# Altium PCB FMC_ADC_130M_16B_4CHv4.PcbDoc (part 1 of 8) (continued)
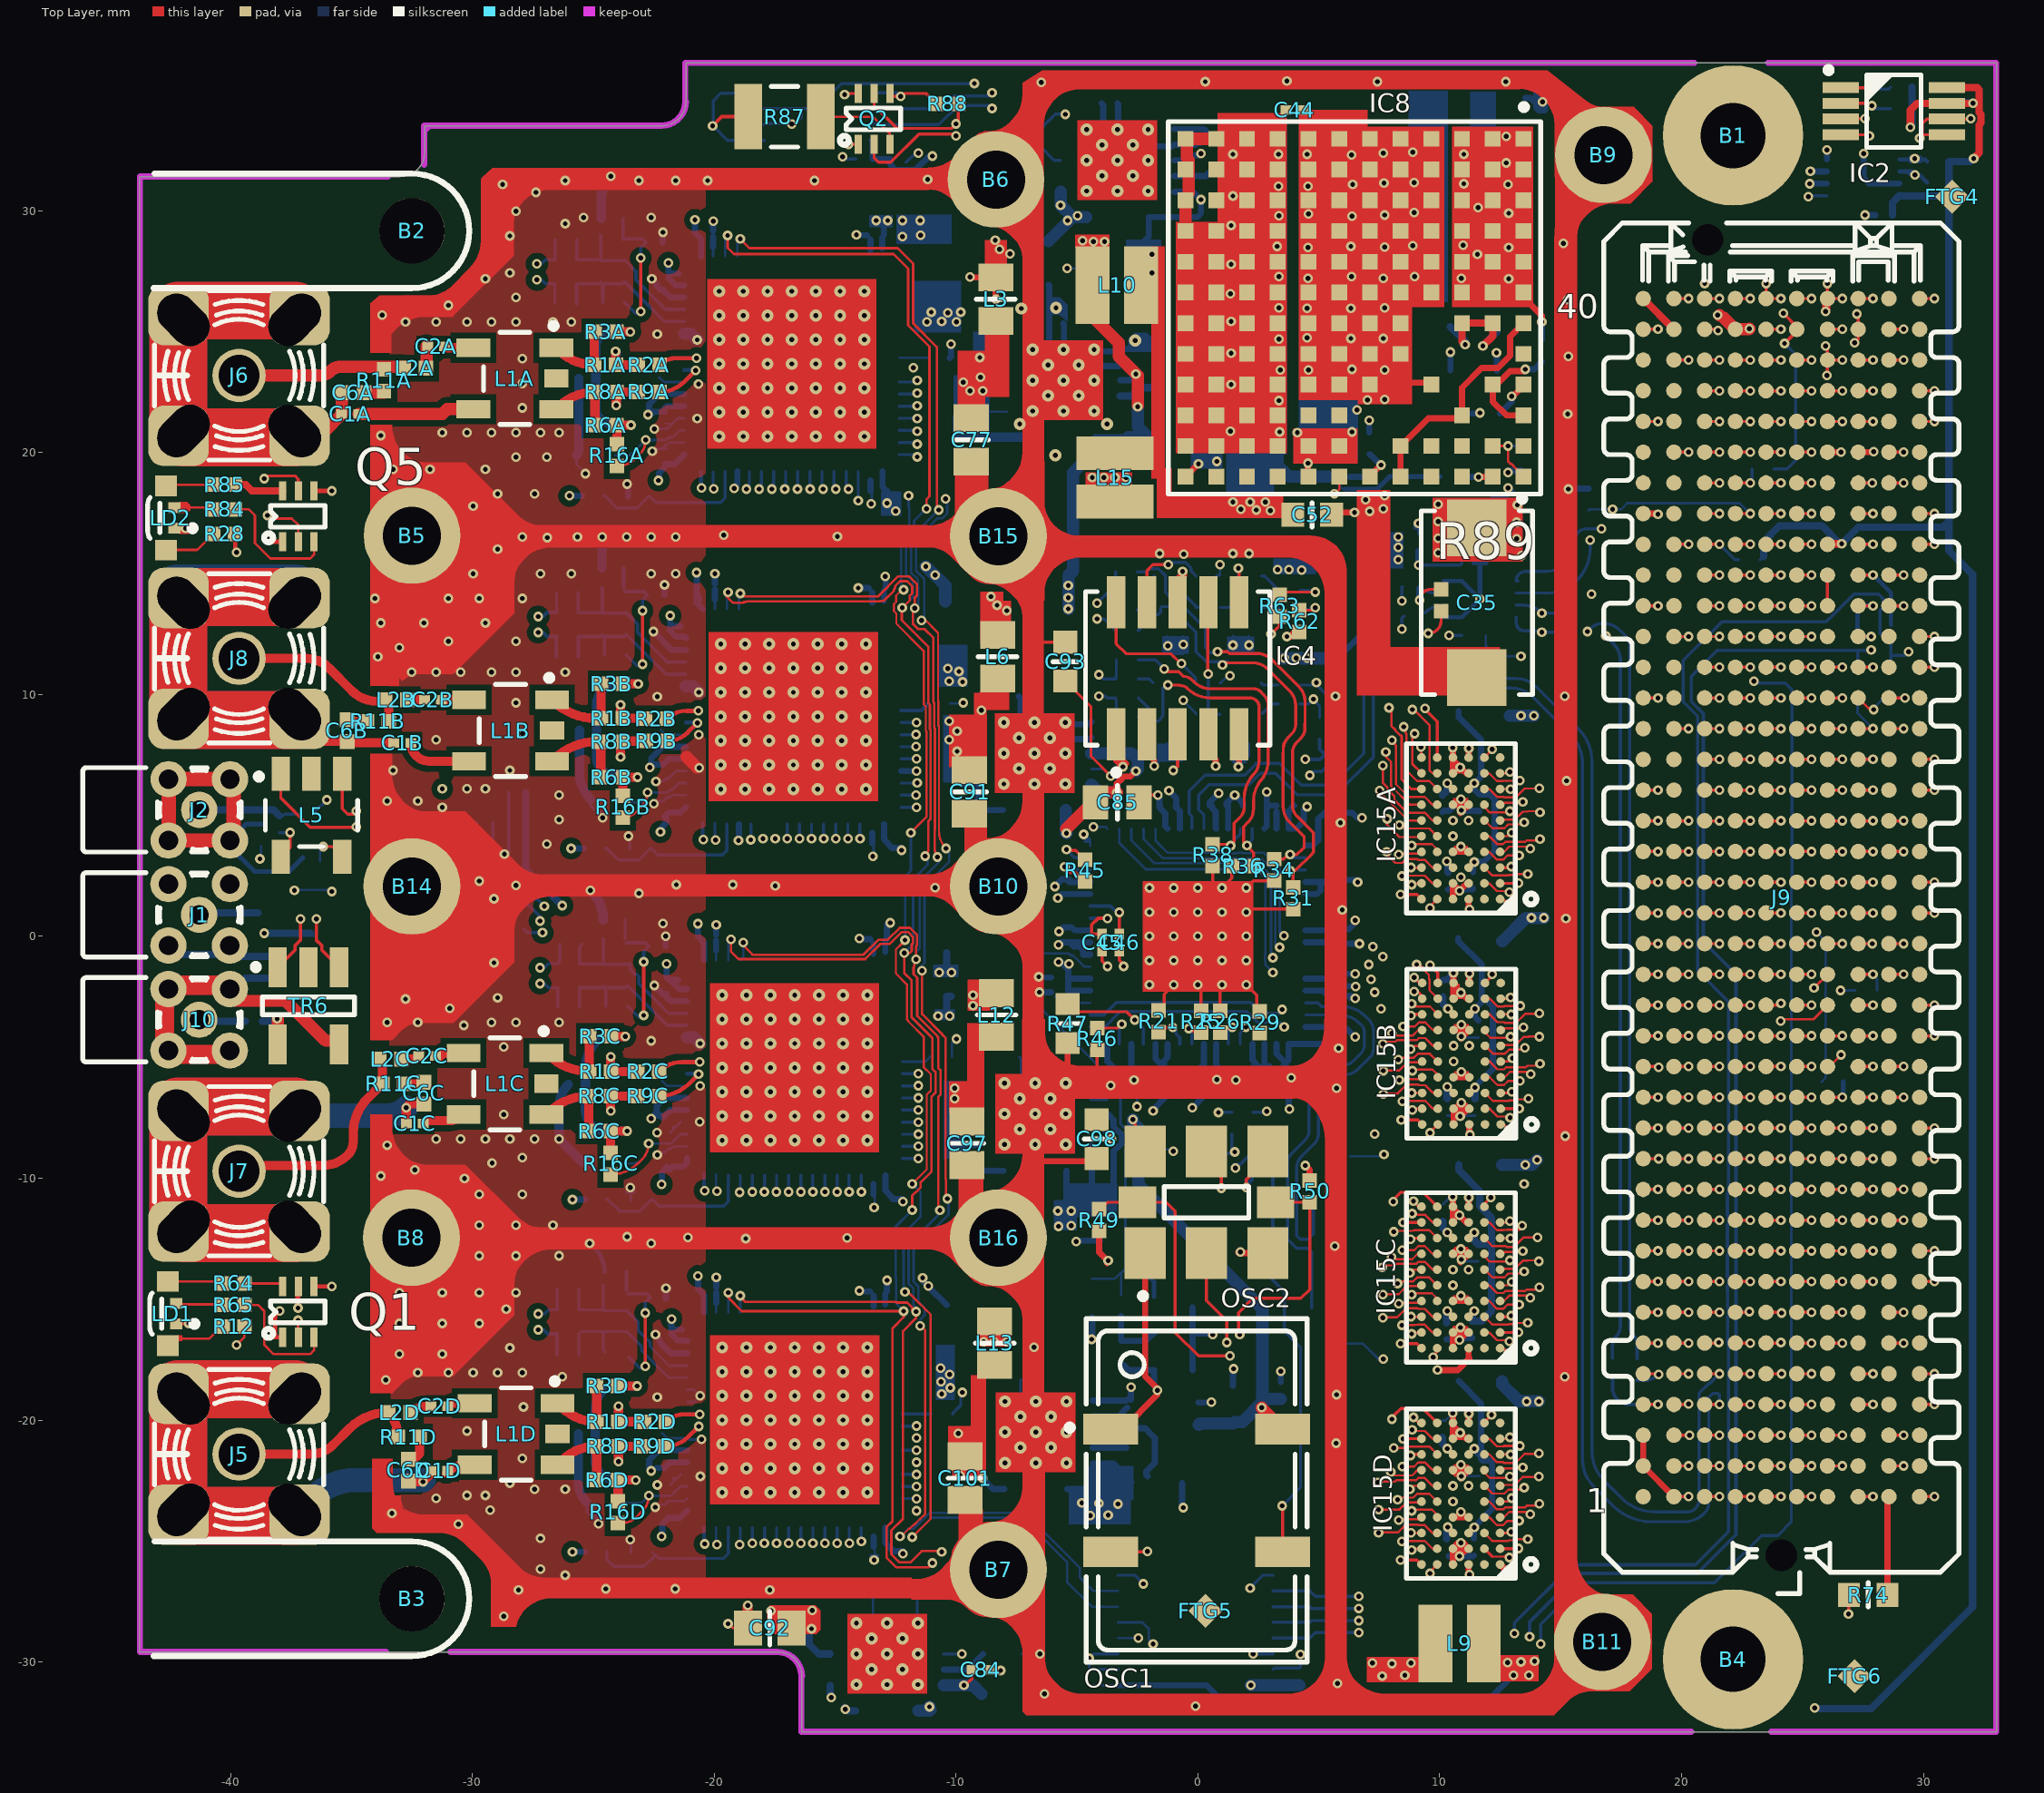
[diagram p0: Top Layer view]
## Classes and differential pairs
net class Power: GND P3V3_ADC1 P3V3_ADC2 P3V3_ADC3 P3V3_ADC4 P3V3_CLK
channel class ADC: U_ADC1 U_ADC2 U_ADC3 U_ADC4
component class U_ADC4: C1D C2D C5D C6D C9D C11D C12D C13D C14D C15D C16D C17D C18D C19D C20D C25D C26D IC1D L1D L2D L4D R1D R2D R3D R6D R8D R9D R10D R11D R13D R14D R15D R16D R17D R18D R76D R77D R86D
component class U_ADC3: C1C C2C C5C C6C C9C C11C C12C C13C C14C C15C C16C C17C C18C C19C C20C C25C C26C IC1C L1C L2C L4C R1C R2C R3C R6C R8C R9C R10C R11C R13C R14C R15C R16C R17C R18C R76C R77C R86C
component class U_ADC2: C1B C2B C5B C6B C9B C11B C12B C13B C14B C15B C16B C17B C18B C19B C20B C25B C26B IC1B L1B L2B L4B R1B R2B R3B R6B R8B R9B R10B R11B R13B R14B R15B R16B R17B R18B R76B R77B R86B
component class U_ADC1: C1A C2A C5A C6A C9A C11A C12A C13A C14A C15A C16A C17A C18A C19A C20A C25A C26A IC1A L1A L2A L4A R1A R2A R3A R6A R8A R9A R10A R11A R13A R14A R15A R16A R17A R18A R76A R77A R86A
component class "Trigger and leds": C103 C104 D1 IC17 LD2 Q5 R28 R75 R84 R85 R87 R88
component class PS: C27 C28 C29 C30 C32 C33 C34 C35 C36 C38 C44 C51 C52 C73 C75 C76 C77 C78 C79 C80 C81 C82 C84 C85 C86 C88 C91 C92 C93 C94 C95 C96 C97 C98 C99 C100 C101 C102 IC6 IC7 IC8 IC9 IC10 IC11 IC12 L3 L6 L7 L9 L10 L12 L13 L15 R78 R79 R80 R81 R82 R83
component class FMC_130MSPS_4CH: B5 B6 B7 B8 B9 B10 B11 B14 B15 B16 C37 C39 IC14 J1 J5 J6 J7 J8
component class EEPROM: C31 C41 C74 FTG1 FTG2 FTG3 FTG4 FTG5 FTG6 IC2 IC5 IC13 LD1 Q1 Q2 R4 R5 R12 R32 R35 R37 R39 R42 R43 R44 R64 R65
component class ClK: C8 C10 C40 C42 C43 C45 C46 C47 C48 C49 C50 C53 C54 C55 C56 C57 C58 C59 C60 C61 C62 C63 C64 C65 C66 C67 C68 C69 C70 C71 C72 C105 C106 C107 C108 C109 C110 IC3 IC4 IC16 J2 J3 J4 J10 L5 L8 OSC1 OSC2 R7 R19 R20 R21 R22 R24 R25 R26 R29 R30 R31 R33 R34 R36 R38 R40 R41 R45 R46 R47 R48 R49 R50 R51 R52 R53 R54 R55 R56 R57 R58 R59 R60 R61 R62 R63 R66 R67 R68 R69 R70 R71 R72 R73 R89 TR2 TR3 TR4 TR5 TR6
component class J1: B1 B2 B3 B4 J9 R23 R27 R74
pad class SMA: J6-2 J7-2
pad class Direc: B1-1 B2-1 B3-1 B4-1 J3-37 J3-38
net class ADC_data: CH1.CLKOUTA CH1.DA0 CH1.DA1 CH1.DA2 CH1.DA3 CH1.DA4 CH1.DA5 CH1.DA6 CH1.DA7 CH1.DA8 CH1.DA9 CH1.DA10 CH1.DA11 CH1.DA12 CH1.DA13 CH1.DA14 CH1.DA15 CH1.OF_A CH2.CLKOUTA CH2.DA0 CH2.DA1 CH2.DA2 CH2.DA3 CH2.DA4 CH2.DA5 CH2.DA6 CH2.DA7 CH2.DA8 CH2.DA9 CH2.DA10 CH2.DA11 CH2.DA12 CH2.DA13 CH2.DA14 CH2.DA15 CH2.OF_A CH3.CLKOUTA CH3.DA0 CH3.DA1 CH3.DA2 CH3.DA3 CH3.DA4 CH3.DA5 CH3.DA6 CH3.DA7 CH3.DA8 CH3.DA9 CH3.DA10 CH3.DA11 CH3.DA12 CH3.DA13 CH3.DA14 CH3.DA15 CH3.OF_A CH4.CLKOUTA CH4.DA0 CH4.DA1 CH4.DA2 CH4.DA3 CH4.DA4 CH4.DA5 CH4.DA6 CH4.DA7 CH4.DA8 CH4.DA9 CH4.DA10 CH4.DA11 CH4.DA12 CH4.DA13 CH4.DA14 CH4.DA15 CH4.OF_A
component class U_BUFFER1: C21A C22A C23A C24A IC15A L14A
component class U_BUFFER2: C21B C22B C23B C24B IC15B L14B
component class U_BUFFER3: C21C C22C C23C C24C IC15C L14C
component class U_BUFFER4: C21D C22D C23D C24D IC15D L14D
net class CH1: CH1.CLKOUTA CH1.DA0 CH1.DA1 CH1.DA2 CH1.DA3 CH1.DA4 CH1.DA5 CH1.DA6 CH1.DA7 CH1.DA8 CH1.DA9 CH1.DA10 CH1.DA11 CH1.DA12 CH1.DA13 CH1.DA14 CH1.DA15 CH1.OF_A
net class CH2: CH2.CLKOUTA CH2.DA0 CH2.DA1 CH2.DA2 CH2.DA3 CH2.DA4 CH2.DA5 CH2.DA6 CH2.DA7 CH2.DA8 CH2.DA9 CH2.DA10 CH2.DA11 CH2.DA12 CH2.DA13 CH2.DA14 CH2.DA15 CH2.OF_A
net class CH3: CH3.CLKOUTA CH3.DA0 CH3.DA1 CH3.DA2 CH3.DA3 CH3.DA4 CH3.DA5 CH3.DA6 CH3.DA7 CH3.DA8 CH3.DA9 CH3.DA10 CH3.DA11 CH3.DA12 CH3.DA13 CH3.DA14 CH3.DA15 CH3.OF_A
net class CH4: CH4.CLKOUTA CH4.DA0 CH4.DA1 CH4.DA2 CH4.DA3 CH4.DA4 CH4.DA5 CH4.DA6 CH4.DA7 CH4.DA8 CH4.DA9 CH4.DA10 CH4.DA11 CH4.DA12 CH4.DA13 CH4.DA14 CH4.DA15 CH4.OF_A
channel class BUFFER: U_BUFFER1 U_BUFFER2 U_BUFFER3 U_BUFFER4
net class Buff_data: B_CLKOUTAA B_CLKOUTAB B_CLKOUTAC B_CLKOUTAD B_DA0A B_DA0B B_DA0C B_DA0D B_DA1A B_DA1B B_DA1C B_DA1D B_DA2A B_DA2B B_DA2C B_DA2D B_DA3A B_DA3B B_DA3C B_DA3D B_DA4A B_DA4B B_DA4C B_DA4D B_DA5A B_DA5B B_DA5C B_DA5D B_DA6A B_DA6B B_DA6C B_DA6D B_DA7A B_DA7B B_DA7C B_DA7D B_DA8A B_DA8B B_DA8C B_DA8D B_DA9A B_DA9B B_DA9C B_DA9D B_DA10A B_DA10B B_DA10C B_DA10D B_DA11A B_DA11B B_DA11C B_DA11D B_DA12A B_DA12B B_DA12C B_DA12D B_DA13A B_DA13B B_DA13C B_DA13D B_DA14A B_DA14B B_DA14C B_DA14D B_DA15A B_DA15B B_DA15C B_DA15D B_OFL_AA B_OFL_AB B_OFL_AC B_OFL_AD
differential pair REFIN: +REFIN_P -REFIN_N
differential pair REFIN_C: +REFIN_C_P -REFIN_C_N
differential pair PASSIVE4_CLK: +PASSIVE4_CLK_P -PASSIVE4_CLK_N
differential pair PASSIVE3_CLK: +PASSIVE3_CLK_P -PASSIVE3_CLK_N
differential pair PASSIVE2_CLK: +PASSIVE2_CLK_P -PASSIVE2_CLK_N
differential pair PASSIVE1_CLK: +PASSIVE1_CLK_P -PASSIVE1_CLK_N
differential pair ACTIVE4_CLK: +ACTIVE3_CLK_P -ACTIVE3_CLK_N
differential pair ACTIVE3_CLK: +ACTIVE4_CLK_P -ACTIVE4_CLK_N
differential pair ACTIVE2_CLK: +ACTIVE2_CLK_P -ACTIVE2_CLK_N
differential pair ACTIVE1_CLK: +ACTIVE1_CLK_P -ACTIVE1_CLK_N
differential pair LA32: +LA32_P -LA32_N
differential pair RF_AUX: +RF_AUX_P -RF_AUX_N
differential pair EXT_CLK1: +EXT_CLK1_P -EXT_CLK1_N
differential pair CLK0_M2C: +CLK0_M2C_P -CLK0_M2C_N
differential pair REF: +REF_P -REF_N
differential pair ADC1_CLKA: +ADC1_CLKA_P -ADC1_CLKA_N
differential pair ADC1_CLKB: +ADC1_CLKB_P -ADC1_CLKB_N
differential pair ADC1_CLKC: +ADC1_CLKC_P -ADC1_CLKC_N
differential pair ADC1_CLKD: +ADC1_CLKD_P -ADC1_CLKD_N
differential pair FMC_REFCLK: +FMC_REFCLK_P -FMC_REFCLK_N
differential pair VCXO_OUT: +VCXO_OUT_P -VCXO_OUT_N
differential pair ADC1_CLK: +ADC2_CLK_P -ADC2_CLK_N
differential pair ADC2_CLK: +ADC1_CLK_P -ADC1_CLK_N
differential pair ADC3_CLK: +ADC4_CLK_P -ADC4_CLK_N
differential pair ADC4_CLK: +ADC3_CLK_P -ADC3_CLK_N
differential pair CLK2_BIDIR: +CLK2_BIDIR_P -CLK2_BIDIR_N

## Components (designator, comment, footprint, x,y, rotation, side; value= is the part's Value field where it differs from the comment)
B1 "Plated Hole" MTG300_600#1 22.128,33.11 r0 top
B2 "Plated Hole" MTG300_600#2 -32.497,29.164 r0 top
B3 "Plated Hole" MTG300_600#2 -32.497,-27.386 r0 top
B4 "Plated Hole" MTG300_600#1 22.128,-29.89 r0 top
B5 "Plated Hole" MTG240_400#1 -32.494,16.564 r0 top
B6 "Plated Hole" MTG240_400#1 -8.347,31.289 r0 top locked
B7 "Plated Hole" MTG240_400#1 -8.247,-26.186 r0 top
B8 "Plated Hole" MTG240_400#2 -32.522,-12.361 r0 top
B9 "Plated Hole" MTG240_400#2 16.77,32.402 r0 top
B10 "Plated Hole" MTG240_400#2 -8.247,2.164 r0 top
B11 "Plated Hole" MTG240_400#1 16.719,-29.168 r0 top
B14 "Plated Hole" MTG240_400#2 -32.501,2.164 r0 top locked
B15 "Plated Hole" MTG240_400#1 -8.247,16.547 r0 top
B16 "Plated Hole" MTG240_400#1 -8.247,-12.46 r0 top
C1A "100nF" CAPC0603X33N -35.052,21.59 r180 top (schematic designator C1)
C1B "100nF" CAPC0603X33N -32.893,8.001 r180 top (schematic designator C1)
C1C "100nF" CAPC0603X33N -32.385,-7.747 r180 top (schematic designator C1)
C1D "100nF" CAPC0603X33N -31.369,-22.098 r180 top (schematic designator C1)
C2A "100nF" CAPC0603X33N -31.496,24.384 r0 top (schematic designator C2)
C2B "100nF" CAPC0603X33N -31.623,9.779 r0 top (schematic designator C2)
C2C "100nF" CAPC0603X33N -31.877,-4.953 r0 top (schematic designator C2)
C2D "100nF" CAPC0603X33N -31.369,-19.431 r0 top (schematic designator C2)
C5A "1.5pF" CAPC1005X55N -24.054,23.089 r90 bottom (schematic designator C5)
C5B "1.5pF" CAPC1005X55N -23.876,8.534 r90 bottom (schematic designator C5)
C5C "1.5pF" CAPC1005X55N -24.282,-6.096 r90 bottom (schematic designator C5)
C5D "1.5pF" CAPC1005X55N -23.952,-20.574 r90 bottom (schematic designator C5)
C6A "2.2pF" CAPC1005X55N -34.925,22.479 r0 top (schematic designator C6)
C6B "2.2pF" CAPC1005X55N -35.179,8.509 r90 top (schematic designator C6)
C6C "2.2pF" CAPC1005X55N -32.004,-6.477 r90 top (schematic designator C6)
C6D "2.2pF" CAPC1005X55N -32.65,-22.075 r90 top (schematic designator C6)
C9A "100pF" CAPC1005X55N -26.143,26.153 r0 bottom (schematic designator C9)
C9B "100pF" CAPC1005X55N -26.062,11.567 r0 bottom (schematic designator C9)
C9C "100pF" CAPC1005X55N -26.023,-2.918 r0 bottom (schematic designator C9)
C9D "100pF" CAPC1005X55N -26.048,-17.304 r0 bottom (schematic designator C9)
C10 "100nF" CAPC0603X33N 3.429,-18.771 r90 bottom
C11A "100pF" CAPC1005X55N -26.136,28.797 r0 bottom (schematic designator C11)
C11B "100pF" CAPC1005X55N -26.068,14.203 r0 bottom (schematic designator C11)
C11C "100pF" CAPC1005X55N -25.932,-0.332 r0 bottom (schematic designator C11)
C11D "100pF" CAPC1005X55N -26.048,-14.576 r0 bottom (schematic designator C11)
C12A "2.2uF" CAPC1608X87N -24.892,19.888 r0 bottom (schematic designator C12)
C12B "2.2uF" CAPC1608X87N -24.308,5.664 r0 bottom (schematic designator C12)
C12C "2.2uF" CAPC1608X87N -24.384,-9.398 r0 bottom (schematic designator C12)
C12D "2.2uF" CAPC1608X87N -24.46,-23.419 r0 bottom (schematic designator C12)
C13A "1.5pF" CAPC1005X55N -24.694,27.483 r270 bottom (schematic designator C13)
C13B "1.5pF" CAPC1005X55N -24.625,12.903 r270 bottom (schematic designator C13)
C13C "1.5pF" CAPC1005X55N -24.572,-1.615 r270 bottom (schematic designator C13)
C13D "1.5pF" CAPC1005X55N -24.528,-15.912 r270 bottom (schematic designator C13)
C14A "100nF" CAPC0603X33N -21.971,19.812 r270 bottom (schematic designator C14)
C14B "100nF" CAPC0603X33N -21.971,5.207 r270 bottom (schematic designator C14)
C14C "100nF" CAPC0603X33N -21.844,-9.296 r270 bottom (schematic designator C14)
C14D "100nF" CAPC0603X33N -21.869,-23.851 r270 bottom (schematic designator C14)
C15A "100nF" CAPC0603X33N -20.396,29.007 r180 bottom (schematic designator C15)
C15B "100nF" CAPC0603X33N -20.447,14.351 r180 bottom (schematic designator C15)
C15C "100nF" CAPC0603X33N -20.269,0.025 r180 bottom (schematic designator C15)
C15D "100nF" CAPC0603X33N -20.269,-14.605 r180 bottom (schematic designator C15)
C16A "100nF" CAPC0603X33N -21.944,26.848 r90 bottom (schematic designator C16)
C16B "100nF" CAPC0603X33N -21.844,12.319 r90 bottom (schematic designator C16)
C16C "100nF" CAPC0603X33N -21.971,-2.032 r90 bottom (schematic designator C16)
C16D "100nF" CAPC0603X33N -21.768,-16.789 r90 bottom (schematic designator C16)
C17A "100nF" CAPC0603X33N -22.273,22.763 r270 bottom (schematic designator C17)
C17B "100nF" CAPC0603X33N -22.204,8.183 r270 bottom (schematic designator C17)
C17C "100nF" CAPC0603X33N -22.151,-6.335 r270 bottom (schematic designator C17)
C17D "100nF" CAPC0603X33N -22.148,-20.9 r270 bottom (schematic designator C17)
C18A "100nF" CAPC0603X33N -22.047,21.336 r90 bottom (schematic designator C18)
C18B "100nF" CAPC0603X33N -21.92,6.833 r90 bottom (schematic designator C18)
C18C "100nF" CAPC0603X33N -21.895,-7.722 r90 bottom (schematic designator C18)
C18D "100nF" CAPC0603X33N -21.869,-22.25 r90 bottom (schematic designator C18)
C19A "100nF" CAPC0603X33N -13.208,18.39 r0 bottom (schematic designator C19)
C19B "100nF" CAPC0603X33N -13.056,3.785 r0 bottom (schematic designator C19)
C19C "100nF" CAPC0603X33N -13.056,-10.719 r0 bottom (schematic designator C19)
C19D "100nF" CAPC0603X33N -13.005,-25.375 r0 bottom (schematic designator C19)
C20A "100nF" CAPC0603X33N -13.259,28.931 r0 bottom (schematic designator C20)
C20B "100nF" CAPC0603X33N -13.233,14.376 r0 bottom (schematic designator C20)
C20C "100nF" CAPC0603X33N -13.108,0.098 r0 bottom (schematic designator C20)
C20D "100nF" CAPC0603X33N -13.208,-14.681 r0 bottom (schematic designator C20)
C21A "100nF" CAPC0603X33N 10.338,2.286 r90 bottom (schematic designator C21)
C21B "100nF" CAPC0603X33N 10.312,-7.061 r90 bottom (schematic designator C21)
C21C "100nF" CAPC0603X33N 10.287,-16.332 r90 bottom (schematic designator C21)
C21D "100nF" CAPC0603X33N 10.287,-25.324 r90 bottom (schematic designator C21)
C22A "100nF" CAPC0603X33N 10.033,5.512 r90 bottom (schematic designator C22)
C22B "100nF" CAPC0603X33N 10.135,-2.159 r270 bottom (schematic designator C22)
C22C "100nF" CAPC0603X33N 10.135,-11.43 r270 bottom (schematic designator C22)
C22D "100nF" CAPC0603X33N 10.109,-20.371 r270 bottom (schematic designator C22)
C23A "100nF" CAPC0603X33N 11.379,2.261 r90 bottom (schematic designator C23)
C23B "100nF" CAPC0603X33N 11.455,-7.061 r90 bottom (schematic designator C23)
C23C "100nF" CAPC0603X33N 11.354,-16.332 r90 bottom (schematic designator C23)
C23D "100nF" CAPC0603X33N 11.405,-25.248 r90 bottom (schematic designator C23)
C24A "100nF" CAPC0603X33N 11.633,5.512 r90 bottom (schematic designator C24)
C24B "100nF" CAPC0603X33N 11.684,-3.81 r90 bottom (schematic designator C24)
C24C "100nF" CAPC0603X33N 11.633,-13.03 r90 bottom (schematic designator C24)
C24D "100nF" CAPC0603X33N 11.633,-21.971 r90 bottom (schematic designator C24)
C25A "100nF" CAPC0603X33N -22.476,28.688 r180 bottom (schematic designator C25)
C25B "100nF" CAPC0603X33N -22.407,14.108 r180 bottom (schematic designator C25)
C25C "100nF" CAPC0603X33N -22.354,-0.41 r180 bottom (schematic designator C25)
C25D "100nF" CAPC0603X33N -22.351,-14.975 r180 bottom (schematic designator C25)
C26A "100nF" CAPC0603X33N -25.248,23.063 r180 bottom (schematic designator C26)
C26B "100nF" CAPC0603X33N -25.222,8.534 r180 bottom (schematic designator C26)
C26C "100nF" CAPC0603X33N -25.679,-6.121 r180 bottom (schematic designator C26)
C26D "100nF" CAPC0603X33N -25.273,-20.574 r180 bottom (schematic designator C26)
C27 "22uF" CAPC3216X140N 3.988,25.324 r0 bottom
C28 "10uF" CAPC2012X135N 10.922,34.874 r180 bottom
C29 "10uF" CAPC2012X135N 12.37,24.282 r90 bottom
C30 "330nF" CAPC1608X87N 13.538,33.858 r270 bottom
C31 "100nF" CAPC0603X33N 28.372,29.82 r180 bottom
C32 "22uF" CAPC3216X140N 3.988,27.61 r0 bottom
C33 "22uF" CAPC3216X140N 3.988,23.012 r0 bottom
C34 "22uF" CAPC3216X140N 3.988,20.726 r0 bottom
C35 "100uF" CAPMP7343X310N 11.532,13.792 r270 top
C36 "10uF" CAPC2012X135N 10.922,29.159 r180 bottom
C37 "100nF" CAPC0603X33N -4.496,-30.632 r270 bottom
C38 "10uF" CAPC2012X135N 10.922,32.969 r0 bottom
C39 "100nF" CAPC0603X33N 4.191,-30.607 r270 bottom
C40 "100nF" CAPC0603X33N -36.83,5.034 r180 bottom
C41 "100nF" CAPC0603X33N -28.143,5.944 r180 bottom
C42 "100nF" CAPC0603X33N -37.973,4.628 r90 bottom
C43 "100nF" CAPC0603X33N -36.652,3.251 r180 bottom
C44 "100nF" CAPC0603X33N 3.988,34.163 r180 top
C45 "100nF" CAPC0603X33N -3.958,-0.254 r270 top
C46 "100nF" CAPC0603X33N -3.246,-0.254 r270 top
C47 "100nF" CAPC0603X33N 8.814,14.453 r0 bottom
C48 "100nF" CAPC0603X33N -39.04,-3.505 r180 bottom
C49 "100nF" CAPC0603X33N 8.89,13.233 r0 bottom
C50 "100nF" CAPC0603X33N 9.119,16.281 r90 bottom
C51 "10uF" CAPC2012X135N 10.922,27.229 r0 bottom
C52 "1uF" CAPC1608X87N 4.724,17.424 r0 top
C53 "4.7uF" CAPC1608X87N 1.448,-19.38 r270 bottom
C54 "100nF" CAPC0603X33N -1.93,-8.814 r0 bottom
C55 "27nF" CAPC1608X87N -4.369,-14.961 r90 bottom
C56 "27nF" CAPC1608X87N -1.016,-16.416 r180 bottom
C57 "10nF" CAPC1608X87N -1.016,-17.94 r180 bottom
C58 "470nF" CAPC1608X87N -1.016,-14.91 r180 bottom
C59 "100nF" CAPC0603X33N -5.715,-2.311 r0 bottom
C60 "100nF" CAPC0603X33N -5.334,2.007 r90 bottom
C61 "100nF" CAPC0603X33N 5.715,-2.464 r180 bottom
C62 "100nF" CAPC0603X33N 5.893,-0.305 r180 bottom
C63 "100nF" CAPC0603X33N 5.563,0.635 r270 bottom
C64 "100nF" CAPC0603X33N 2.21,5.41 r0 bottom
C65 "100nF" CAPC0603X33N 3.632,5.41 r180 bottom
C66 "100nF" CAPC0603X33N 5.715,-1.549 r180 bottom
C67 "100nF" CAPC0603X33N -1.245,5.359 r0 bottom
C68 "100nF" CAPC0603X33N -5.715,-1.702 r0 bottom
C69 "100nF" CAPC0603X33N -5.232,0.025 r90 bottom
C70 "100nF" CAPC0603X33N 0.838,5.41 r180 bottom
C71 "100nF" CAPC0603X33N 4.75,4.851 r0 bottom
C72 "100nF" CAPC0603X33N 5.537,1.981 r90 bottom
C73 "330nF" CAPC1608X87N 11.684,21.615 r180 bottom
C74 "100nF" CAPC0603X33N 31.471,34.112 r270 bottom
C75 "10uF" CAPC2012X135N -1.067,20.472 r180 bottom
C76 "10uF" CAPC2012X135N -3.734,27.61 r0 bottom
C77 "47uF" CAPC2012X140N -9.373,20.523 r90 top
C78 "47uF" CAPC2012X140N -6.426,27.838 r90 bottom
C79 "1uF" CAPC1608X87N -1.676,23.698 r270 bottom
C80 "1uF" CAPC1608X87N 0.457,32.36 r270 bottom
C81 "22uF" CAPC3216X140N 3.962,32.207 r0 bottom
C82 "22uF" CAPC3216X140N 3.988,29.921 r0 bottom
C84 "100nF" CAPC0603X33N -8.986,-30.328 r180 top
C85 "10uF" CAPC2012X135N -3.327,5.537 r180 top
C86 "10uF" CAPC2012X135N -8.052,-31.318 r180 bottom
C88 "10uF" CAPC2012X135N 10.922,31.115 r0 bottom
C91 "47uF" CAPC2012X140N -9.449,5.969 r90 top
C92 "47uF" CAPC2012X140N -17.704,-28.6 r0 top
C93 "1uF" CAPC1608X87N -5.486,11.354 r270 top
C94 "1uF" CAPC1608X87N -8.077,-29.667 r180 bottom
C95 "10uF" CAPC2012X135N -4.039,-11.684 r90 bottom
C96 "100pF" CAPC1005X55N 5.842,18.999 r180 bottom
C97 "47uF" CAPC2012X140N -9.55,-8.56 r90 top
C98 "1uF" CAPC1608X87N -4.191,-8.382 r90 top
C99 "10uF" CAPC2012X135N 10.439,24.308 r90 bottom
C100 "10uF" CAPC2012X135N -1.549,-22.606 r180 bottom
C101 "47uF" CAPC2012X140N -9.627,-22.403 r90 top
C102 "1uF" CAPC1608X87N -2.769,-20.244 r270 bottom
C103 "100nF" CAPC0603X33N -13.79,32.134 r180 bottom
C104 "10nF" CAPC0603X33N -12.363,32.124 r0 bottom
C105 "100nF" CAPC0603X33N 0.483,-5.41 r180 bottom
C106 "100nF" CAPC0603X33N 5.359,-4.191 r90 bottom
C107 "100nF" CAPC0603X33N -3.099,-5.461 r180 bottom
C108 "100nF" CAPC0603X33N -1.75,-5.469 r0 bottom
C109 "100nF" CAPC0603X33N 3.302,-5.359 r180 bottom
C110 "100nF" CAPC0603X33N 1.93,-5.41 r0 bottom
D1 "BAR66" SOT95P240X110-3N -37.719,0.965 r180 bottom
FTG1 "Use only in PCB" FIDUCIAL_TOP_S100-200 -40.787,28.342 r90 bottom
FTG2 "Use only in PCB" FIDUCIAL_TOP_S100-200 31.039,-30.836 r90 bottom
FTG3 "Use only in PCB" FIDUCIAL_TOP_S100-200 19.05,29.947 r90 bottom
FTG4 "Use only in PCB" FIDUCIAL_TOP_S100-200 31.191,30.582 r90 top
FTG5 "Use only in PCB" FIDUCIAL_TOP_S100-200 0.307,-27.88 r90 top
FTG6 "Use only in PCB" FIDUCIAL_TOP_S100-200 27.158,-30.586 r90 top
IC1A "LTC2208IUP#PBF" QFN50P900X900X80-65N-S725 -16.794,23.666 r180 bottom (schematic designator IC1)
IC1B "LTC2208IUP#PBF" QFN50P900X900X80-65N-S725 -16.725,9.086 r180 bottom (schematic designator IC1)
IC1C "LTC2208IUP#PBF" QFN50P900X900X80-65N-S725 -16.673,-5.432 r180 bottom locked (schematic designator IC1)
IC1D "LTC2208IUP#PBF" QFN50P900X900X80-65N-S725 -16.67,-19.997 r180 bottom (schematic designator IC1)
IC2 "LM75AIMM/NOPB" SOP65P490X109-8N 28.778,34.112 r0 top
IC3 "AD9510BCPZ" QFN50P900X900X100-65N-S485 0,0 r180 bottom locked
IC4 "SCA-4-10+" MINI-CIRCUITS_DZ943 -0.838,11.074 r90 top locked
IC5 "24AA64T-I/MC" SON50P300X200X100-9N-S175X155 27.508,31.369 r0 bottom
IC6 "TPS7A4700RGWT" QFN65P500X500X100-21N-S325 -5.563,22.987 r180 bottom
IC7 "TPS7A4700RGWT" QFN65P500X500X100-21N-S325 -3.327,32.08 r180 bottom
IC8 "LTM4606EV#PBF-ND" LTM4606 14.224,33.731 r180 top locked
IC9 "TPS7A4700RGWT" QFN65P500X500X100-21N-S325 -6.756,7.569 r180 bottom
IC10 "TPS7A4700RGWT" QFN65P500X500X100-21N-S325 -12.852,-29.667 r180 bottom
IC11 "TPS7A4700RGWT" QFN65P500X500X100-21N-S325 -6.731,-7.341 r180 bottom
IC12 "TPS7A4700RGWT" QFN65P500X500X100-21N-S325 -6.706,-20.498 r180 bottom
IC13 "LM75AIMM/NOPB" SOP65P490X109-8N -28.829,2.489 r90 bottom
IC14 "SN74AVC4T245PW" TSSOP-16 -3.302,-30.963 r0 bottom
IC15A "SN74AVC20T245ZQLR" ZQL56(R-PBGA-N56) 10.871,4.465 r180 top locked (schematic designator IC15)
IC15B "SN74AVC20T245ZQLR" ZQL56(R-PBGA-N56) 10.897,-4.853 r180 top (schematic designator IC15)
IC15C "SN74AVC20T245ZQLR" ZQL56(R-PBGA-N56) 10.871,-14.103 r180 top locked (schematic designator IC15)
IC15D "SN74AVC20T245ZQLR" ZQL56(R-PBGA-N56) 10.871,-23.043 r180 top locked (schematic designator IC15)
IC16 "ICS854S015CKI-01LF" QFN127P600-8N 11.659,13.945 r180 bottom
IC17 "SN65LVDM176DGK" "MSOP8 TI/AD" -15.711,33.886 r90 bottom
J1 "Coax_1Female_1Shield" "HUBER-SUHNER_85_MMCX-50-0-1/111 OH" -41.297,0.889 r180 top
J2 "Coax_1Female_1Shield" "HUBER-SUHNER_85_MMCX-50-0-1/111 OH" -41.294,5.228 r180 top
J3 "U.FL" HIROSE_U.FL-R-SMT-1(10) 6.223,-15.367 r90 bottom
J4 "U.FL" HIROSE_U.FL-R-SMT-1(10) 6.299,-10.566 r90 bottom
J5 "AMPHENOL_901-143_IN BOARD" "AMPHENOL_901-143_IN BOARD" -39.647,-21.411 r0 top
J6 "AMPHENOL_901-143_IN BOARD" "AMPHENOL_901-143_IN BOARD" -39.647,23.189 r0 top
J7 "AMPHENOL_901-143_IN BOARD" "AMPHENOL_901-143_IN BOARD" -39.647,-9.711 r0 top
J8 "AMPHENOL_901-143_IN BOARD" "AMPHENOL_901-143_IN BOARD" -39.647,11.489 r0 top
J9 "VITA 57" SAMTEC_ASP-134488-01 24.128,1.6 r270 top locked
J10 "Coax_1Female_1Shield" "HUBER-SUHNER_85_MMCX-50-0-1/111 OH" -41.297,-3.45 r180 top
L1A "MABA-007159" "XFMR_MA-COM_SM-22 (H260)"#1 -28.245,23.063 r270 top (schematic designator L1)
L1B "MABA-007159" "XFMR_MA-COM_SM-22 (H260)"#1 -28.423,8.509 r270 top (schematic designator L1)
L1C "MABA-007159" "XFMR_MA-COM_SM-22 (H260)"#1 -28.651,-6.096 r270 top (schematic designator L1)
L1D "MABA-007159" "XFMR_MA-COM_SM-22 (H260)"#1 -28.194,-20.574 r270 top (schematic designator L1)
L2A "0R" INDC1005X55N -32.385,23.495 r0 top (schematic designator L2)
L2B "0R" INDC1005X55N -33.147,9.779 r0 top (schematic designator L2)
L2C "0R" INDC1005X55N -33.401,-5.08 r0 top (schematic designator L2)
L2D "0R" INDC1005X55N -33.02,-19.685 r0 top (schematic designator L2)
L3 "220R@100MHz" INDC2012X105N -8.357,26.34 r90 top
L4A "220R@100MHz" INDC2012X105N -10.512,27.52 r90 bottom (schematic designator L4)
L4B "220R@100MHz" INDC2012X105N -10.443,12.94 r90 bottom (schematic designator L4)
L4C "220R@100MHz" INDC2012X105N -10.391,-1.578 r90 bottom (schematic designator L4)
L4D "220R@100MHz" INDC2012X105N -10.388,-16.143 r90 bottom (schematic designator L4)
L5 "MABA-007159-000000" "XFMR_MA-COM_SM-22 (H260)"#2 -36.652,5.004 r0 top
L6 "220R@100MHz" INDC2012X105N -8.28,11.557 r90 top
L7 "220R@100MHz" INDC2012X105N 6.147,15.57 r0 bottom
L8 "220R@100MHz" INDC1005X55N 0.025,-19.736 r270 bottom
L9 "ELLVGG2R2N" L_ELLVGG2R2N 10.82,-29.235 r180 top
L10 "ELLVGG2R2N" L_ELLVGG2R2N -3.353,26.924 r180 top
L12 "220R@100MHz" INDC2012X105N -8.331,-3.251 r90 top
L13 "220R@100MHz" INDC2012X105N -8.407,-16.815 r90 top
L14A "220R@100MHz" INDC2012X105N 11.684,9.296 r0 bottom (schematic designator L14)
L14B "220R@100MHz" INDC2012X105N 11.659,-0.076 r0 bottom (schematic designator L14)
L14C "220R@100MHz" INDC2012X105N 11.684,-9.271 r0 bottom (schematic designator L14)
L14D "220R@100MHz" INDC2012X105N 11.684,-18.288 r0 bottom (schematic designator L14)
L15 "ELLVGG2R2N" L_ELLVGG2R2N -3.429,18.974 r270 top
LD1 "Blue/Red/Green" LED_AVAGO_HSMF-C113 -42.596,-15.596 r90 top
LD2 "Blue/Red/Green" LED_AVAGO_HSMF-C113 -42.672,17.297 r90 top
OSC1 "125MHz" OSC_CRYSTEK_CVHD-950 -0.051,-22.911 r0 top
OSC2 "100MHz" OSC_SILICON-LAB_SI570 0.356,-10.998 r90 top locked
Q1 "PMGD280UN" SOT-363 -37.846,-14.478 r0 top
Q2 "PMGD280UN" SOT-363 -14.039,34.847 r0 top
Q5 "PMGD280UN" SOT-363 -37.846,18.415 r0 top
R1A "5R6" RESC1005X40N -24.511,23.622 r0 top (schematic designator R1)
R1B "5R6" RESC1005X40N -24.239,9.013 r0 top (schematic designator R1)
R1C "5R6" RESC1005X40N -24.714,-5.588 r0 top (schematic designator R1)
R1D "5R6" RESC1005X40N -24.409,-20.066 r0 top (schematic designator R1)
R2A "5R6" RESC1005X40N -22.708,23.622 r0 top (schematic designator R2)
R2B "5R6" RESC1005X40N -22.403,8.992 r0 top (schematic designator R2)
R2C "5R6" RESC1005X40N -22.733,-5.588 r0 top (schematic designator R2)
R2D "5R6" RESC1005X40N -22.454,-20.066 r0 top (schematic designator R2)
R3A "33" RESC1005X40N -24.486,24.994 r180 top (schematic designator R3)
R3B "33" RESC1005X40N -24.232,10.439 r180 top (schematic designator R3)
R3C "33" RESC1005X40N -24.714,-4.14 r180 top (schematic designator R3)
R3D "33" RESC1005X40N -24.435,-18.593 r180 top (schematic designator R3)
R4 "10k" RESC1005X40N 29.083,35.103 r0 bottom
R5 "10k" RESC1005X40N 22.809,15.57 r0 bottom
R6A "33" RESC1005X40N -24.486,21.133 r0 top (schematic designator R6)
R6B "33" RESC1005X40N -24.232,6.579 r0 top (schematic designator R6)
R6C "33" RESC1005X40N -24.74,-8.052 r0 top (schematic designator R6)
R6D "33" RESC1005X40N -24.435,-22.479 r0 top (schematic designator R6)
R7 "47" RESC1005X40N 27.635,-2.235 r180 bottom
R8A "5R6" RESC1005X40N -24.486,22.504 r0 top (schematic designator R8)
R8B "5R6" RESC1005X40N -24.239,8.047 r0 top (schematic designator R8)
R8C "5R6" RESC1005X40N -24.74,-6.604 r0 top (schematic designator R8)
R8D "5R6" RESC1005X40N -24.409,-21.082 r0 top (schematic designator R8)
R9A "5R6" RESC1005X40N -22.708,22.504 r0 top (schematic designator R9)
R9B "5R6" RESC1005X40N -22.377,8.077 r0 top (schematic designator R9)
R9C "5R6" RESC1005X40N -22.733,-6.604 r0 top (schematic designator R9)
R9D "5R6" RESC1005X40N -22.479,-21.082 r0 top (schematic designator R9)
R10A "10k" RESC1005X40N -10.716,23.913 r180 bottom (schematic designator R10)
R10B "10k" RESC1005X40N -10.693,9.627 r180 bottom (schematic designator R10)
R10C "10k" RESC1005X40N -10.617,-4.978 r180 bottom (schematic designator R10)
R10D "10k" RESC1005X40N -10.591,-19.75 r180 bottom (schematic designator R10)
R11A "51" RESC1005X40N -33.655,22.987 r90 top (schematic designator R11)
R11B "51" RESC1005X40N -33.909,8.89 r0 top (schematic designator R11)
R11C "51" RESC1005X40N -33.274,-6.096 r180 top (schematic designator R11)
R11D "51" RESC1005X40N -32.639,-20.701 r180 top (schematic designator R11)
R12 "200" RESC1005X40N -39.878,-16.129 r180 top
R13A "1k" RESC1005X40N -25.019,18.212 r0 bottom (schematic designator R13)
R13B "1k" RESC1005X40N -24.95,3.632 r0 bottom (schematic designator R13)
R13C "1k" RESC1005X40N -24.897,-10.886 r0 bottom (schematic designator R13)
R13D "1k" RESC1005X40N -24.894,-25.451 r0 bottom (schematic designator R13)
R14A "2k" RESC1005X40N -23.114,18.186 r180 bottom (schematic designator R14)
R14B "2k" RESC1005X40N -23.045,3.607 r180 bottom (schematic designator R14)
R14C "2k" RESC1005X40N -22.992,-10.911 r180 bottom (schematic designator R14)
R14D "2k" RESC1005X40N -22.989,-25.476 r180 bottom (schematic designator R14)
R15A "100" RESC1005X40N -23.703,27.508 r90 bottom (schematic designator R15)
R15B "100" RESC1005X40N -23.634,12.929 r90 bottom (schematic designator R15)
R15C "100" RESC1005X40N -23.581,-1.589 r90 bottom (schematic designator R15)
R15D "100" RESC1005X40N -23.604,-15.9 r90 bottom (schematic designator R15)
R16A "100" RESC1005X40N -24.028,19.888 r270 top (schematic designator R16)
R16B "100" RESC1005X40N -23.774,5.359 r270 top (schematic designator R16)
R16C "100" RESC1005X40N -24.282,-9.398 r270 top (schematic designator R16)
R16D "100" RESC1005X40N -23.978,-23.8 r270 top (schematic designator R16)
R17A "51" RESC1005X40N -24.155,26.213 r180 bottom (schematic designator R17)
R17B "51" RESC1005X40N -24.086,11.633 r180 bottom (schematic designator R17)
R17C "51" RESC1005X40N -24.034,-2.885 r180 bottom (schematic designator R17)
R17D "51" RESC1005X40N -24.056,-17.196 r180 bottom (schematic designator R17)
R18A "51" RESC1005X40N -24.206,28.829 r180 bottom (schematic designator R18)
R18B "51" RESC1005X40N -24.193,14.402 r180 bottom (schematic designator R18)
R18C "51" RESC1005X40N -24.14,-0.116 r180 bottom (schematic designator R18)
R18D "51" RESC1005X40N -24.079,-14.63 r180 bottom (schematic designator R18)
R19 "47" RESC1005X40N 26.238,-6.02 r180 bottom
R20 "100" RESC1005X40N 14.376,14.63 r90 bottom
R21 "200" RESC1005X40N -1.626,-3.505 r90 top
R22 "100" RESC1005X40N 15.265,12.979 r90 bottom
R23 "0" RESC1005X40N 17.145,-17.882 r270 bottom
R24 "0" RESC1005X40N -38.735,4.19 r90 bottom
R25 "200" RESC1005X40N 0.127,-3.531 r90 top
R26 "200" RESC1005X40N 0.914,-3.531 r90 top
R27 "0" RESC1005X40N 18.161,-17.907 r270 bottom
R28 "1k" RESC1005X40N -40.259,16.637 r180 top
R29 "200" RESC1005X40N 2.563,-3.556 r90 top
R30 "200" RESC1005X40N 2.286,-7.722 r90 bottom
R31 "200" RESC1005X40N 3.937,1.575 r270 top
R32 "10k" RESC1005X40N 29.083,34.214 r0 bottom
R33 "0" RESC1005X40N -2.921,10.643 r180 bottom
R34 "200" RESC1005X40N 3.15,2.743 r270 top
R35 "0" RESC1005X40N 28.575,10.566 r270 bottom
R36 "200" RESC1005X40N 1.854,2.896 r180 top
R37 "0" RESC1005X40N 27.28,10.465 r270 bottom
R38 "200" RESC1005X40N 0.61,3.353 r270 top
R39 "0" RESC1005X40N 28.651,12.421 r90 bottom
R40 "0" RESC1005X40N -38.4,-1.275 r270 bottom
R41 "0" RESC1005X40N -2.921,9.855 r180 bottom
R42 "0" RESC1005X40N 27.254,12.268 r90 bottom
R43 "10k" RESC1005X40N 30.607,32.029 r0 bottom
R44 "10k" RESC1005X40N 30.607,31.166 r0 bottom
R45 "49R9" RESC1005X40N -4.674,2.718 r90 top
R46 "5k1" RESC1005X40N -4.166,-4.242 r90 top
R47 "4k12" RESC1608X55N -5.385,-3.607 r90 top
R48 "10k" RESC1005X40N 16.154,18.059 r270 bottom
R49 "2k2" RESC1005X40N -4.089,-11.735 r270 top
R50 "2k2" RESC1005X40N 4.623,-10.541 r90 top
R51 "200" RESC1005X40N 3.099,-9.449 r90 bottom
R52 "200" RESC1005X40N 1.397,-7.722 r90 bottom
R53 "1" RESC1005X40N -3.175,-15.273 r270 bottom
R54 "2k2" RESC1005X40N -3.15,-17.221 r90 bottom
R55 "2k2" RESC1005X40N -2.667,-13.868 r180 bottom
R56 "0" RESC1005X40N -2.946,14.275 r180 bottom
R57 "0" RESC1005X40N -2.946,13.487 r180 bottom
R58 "0" RESC1005X40N 3.759,9.601 r0 bottom
R59 "0" RESC1005X40N 3.759,10.389 r0 bottom
R60 "0" RESC1005X40N 3.785,13.513 r0 bottom
R61 "0" RESC1005X40N 3.785,14.3 r0 bottom
R62 "0" RESC1005X40N 4.191,13.03 r90 top
R63 "0" RESC1005X40N 3.378,13.665 r90 top
R64 "200" RESC1005X40N -39.878,-14.351 r180 top
R65 "200" RESC1005X40N -39.878,-15.24 r180 top
R66 "0" RESC1005X40N 5.029,8.585 r90 bottom
R67 "0" RESC1005X40N 5.842,8.585 r90 bottom
R68 "0" RESC1005X40N -2.946,15.062 r180 bottom
R69 "0" RESC1005X40N -2.921,12.624 r180 bottom
R70 "0" RESC1005X40N -2.921,11.43 r180 bottom
R71 "0" RESC1005X40N -2.921,9.068 r180 bottom
R72 "0" RESC1005X40N 2.235,-9.423 r90 bottom
R73 "0" RESC1005X40N 0.965,-9.423 r90 bottom
R74 "4k7" RESC1608X55N 27.711,-27.229 r0 top
R75 "100" RESC1005X40N -11.32,33.889 r90 bottom
R76A "51" RESC1005X40N -24.221,29.677 r0 bottom (schematic designator R76)
R76B "51" RESC1005X40N -24.195,15.224 r0 bottom (schematic designator R76)
R76C "51" RESC1005X40N -24.136,0.68 r0 bottom (schematic designator R76)
R76D "51" RESC1005X40N -24.076,-13.871 r0 bottom (schematic designator R76)
R77A "0" RESC1005X40N -26.143,26.975 r0 bottom (schematic designator R77)
R77B "0" RESC1005X40N -26.081,12.387 r0 bottom (schematic designator R77)
R77C "0" RESC1005X40N -26.017,-2.126 r0 bottom (schematic designator R77)
R77D "0" RESC1005X40N -26.048,-16.469 r0 bottom (schematic designator R77)
R78 "100k" RESC1005X40N 23.368,19.329 r180 bottom
R79 "100k" RESC1005X40N 14.224,24.206 r270 bottom
R80 "10k" RESC1005X40N 7.087,20.371 r90 bottom
R81 "150k" RESC1005X40N 10.465,18.999 r0 bottom
R82 "150k" RESC1005X40N 12.192,18.542 r90 bottom
R83 "390k" RESC1005X40N 13.36,19.71 r270 bottom
R84 "200" RESC1005X40N -40.259,17.653 r180 top
R85 "200" RESC1005X40N -40.259,18.669 r180 top
R86A "0" RESC1005X40N -26.15,27.961 r0 bottom (schematic designator R86)
R86B "0" RESC1005X40N -26.081,13.389 r0 bottom (schematic designator R86)
R86C "0" RESC1005X40N -26.017,-1.138 r0 bottom (schematic designator R86)
R86D "0" RESC1005X40N -26.039,-15.439 r0 bottom (schematic designator R86)
R87 "49R9" RESC3225X70N -17.094,33.884 r180 top
R88 "4k7" RESC1005X40N -10.355,34.418 r0 top
R89 "100" RESC1005X40N 10.058,13.894 r90 top
TR2 "BD0205F5050A00" XFMR_ANAREN_BD0205F5050A00 1.778,14.275 r90 bottom
TR3 "BD0205F5050A00" XFMR_ANAREN_BD0205F5050A00 -0.94,9.83 r270 bottom
TR4 "BD0205F5050A00" XFMR_ANAREN_BD0205F5050A00 -0.94,14.249 r270 bottom
TR5 "BD0205F5050A00" XFMR_ANAREN_BD0205F5050A00 1.778,9.83 r90 bottom
TR6 "1:1" XFMR_MINI-CIRCUITS_AT224-1 -36.779,-2.87 r0 top

## Footprints (in the part's own frame and the unit in brackets; to place one, negate y for a bottom-side part, rotate by r counter-clockwise, add the part's x,y. Pads: shape width x height; smd on the part's side, far side on the other; paste and mask are expansions set on the pad)
"AMPHENOL_901-143_IN BOARD" [mm] "50 Ohm Through Hole SMA Right Angle PCB Jack"
  round 2.2 hole 1.7: 1(0,0)
  rrect50% 2.5x2.5 hole 1.6 slot 2.4 at 45 deg copper offset -0.2,-0.2: 2(-2.3,-2.3)
  rrect50% 2.5x2.5 hole 1.6 slot 2.4 at 135 deg copper offset -0.2,0.2: 2(-2.3,2.3)
  rrect50% 2.5x2.5 hole 1.6 slot 2.4 at 135 deg copper offset 0.2,-0.2: 2(2.3,-2.3)
  rrect50% 2.5x2.5 hole 1.6 slot 2.4 at 45 deg copper offset 0.2,0.2: 2(2.3,2.3)
  silkscreen extent -3.5,-3.5 3.5,3.5, body extent -13.66,-10 6.35,10.01, height 8.99
CAPC0603X33N [mm] "Chip Capacitor, Body 0.6x0.30mm, IPC Medium Density"
  rect 0.45x0.4 smd: 1(-0.35,0) 2(0.35,0)
  body extent -0.31,-0.16 0.32,0.17, height 0.33
CAPC1005X55N [mm] "Chip Capacitor, Body 1.0x0.55mm, IPC Medium Density"
  rect 0.62x0.62 smd: 1(-0.45,0) 2(0.45,0)
  body extent -0.52,-0.27 0.53,0.28, height 0.55
CAPC1608X87N [mm] "Chip Capacitor, Body 1.6x0.8mm IPC Medium Density"
  rect 0.95x1 smd: 1(-0.8,0) 2(0.8,0)
  silkscreen extent 0,-0.5 0,0.5, body extent -0.87,-0.47 0.88,0.48, height 0.87
CAPC2012X135N [mm] "Chip Capacitor, Body 2.0x1.25mm, IPC Medium Density"
  rect 1.05x1.4 smd: 1(-0.9,0) 2(0.9,0)
  silkscreen extent 0,-0.7 0,0.7, body extent -1.05,-0.67 1.05,0.68, height 1.25
CAPC2012X140N [mm] "Chip Capacitor, Body 2.0x1.25mm, IPC Medium Density"
  rect 1.15x1.45 smd: 1(-0.9,0) 2(0.9,0)
  silkscreen extent 0,-0.7 0,0.7, body extent -1.05,-0.67 1.05,0.68, height 1.3
CAPC3216X140N [mm] "Chip Capacitor, Body 3.2x1.6mm, IPC Medium Density"
  rect 1.15x1.8 smd: 1(-1.5,0) 2(1.5,0)
  silkscreen extent -0.5,-0.9 0.5,0.9, body extent -1.7,-0.9 1.7,0.9, height 1.4
CAPMP7343X310N [mm] "Capacitor, Polarized, Molded  Body 7.3x4.3mm, IPC Medium Density"
  rect 2.35x2.45 smd: 1(-3.1,0) 2(3.1,0)
  silkscreen extent -4.42,-2.3 3.8,2.3, body extent -3.8,-2.3 3.8,2.3, height 3.1
FIDUCIAL_TOP_S100-200 [mm] "Square Fiducial Target, Top Layer, 1.0mm, Top Solder 2.0mm, Keepout =2.0mm"
  rect 1x1 smd rot 45 paste-0.51 mask+0.5: 1(0,0)
  Top Layer pour cut-out: 1.414,0 0,-1.414 -1.414,0 0,1.414
HIROSE_U.FL-R-SMT-1(10) [mm] "Up to 6GHz Ultra Small Surface Mount Male Coaxial Connectors U.FL Series"
  rect 1x1.05 smd: 1(0,-1.525)
  rect 1.05x2.2 smd: 2(-1.475,0) 2(1.475,0)
  silkscreen extent -1,-1.3 1,1.55, body extent -1.5,-1.55 1.5,1.55, height 1.25
"HUBER-SUHNER_85_MMCX-50-0-1/111 OH" [mm] "MMCX 50 Ohm Right Angle PCB Jack"
  round 1.5 hole 0.8: 1(0,0) 2(-1.27,1.27) 2(-1.27,-1.27) 2(1.27,1.27) 2(1.27,-1.27)
  silkscreen extent -1.73,-1.74 4.82,1.74, body extent -1.73,-1.74 4.82,1.74, height 3.8
INDC1005X55N [mm] "Chip Inductor, 2-Leads, EIA 0402, Metric 1005, Body 1x0.5mm, 0402IPC Medium Density"
  rect 0.6x0.62 smd: 1(-0.46,0) 2(0.46,0)
  body extent -0.52,-0.27 0.53,0.28, height 0.55
INDC2012X105N [mm] "Chip Inductor, EIA 0805, Metric 2012, Body 2.0x1.25mm, IPC Medium Density"
  rect 1.15x1.45 smd: 1(-0.9,0) 2(0.9,0)
  silkscreen extent 0,-0.8 0,0.8, body extent -1.1,-0.7 1.1,0.7, height 1.1
L_ELLVGG2R2N [mm]
  rect 1.4x3.2 smd: 1(-1,0) 2(1,0)
  body extent -1.5,-1.5 1.5,1.5, height 1.5
LED_AVAGO_HSMF-C113 [mm] "Right Angle Tricolor Surface Mount ChipLED, Body 2.5x1mm"
  rect 0.85x0.9 smd: 1(-1.325,0) 4(1.325,0)
  rect 0.45x0.5 smd: 2(-0.425,-0.35) 3(0.425,-0.35)
  silkscreen extent -0.85,-1.23 0.85,0.75, body extent -1.25,-0.25 1.25,0.75, height 1
LTM4606 [mm]
  rect 0.65x0.65 smd: A1(0.762,0.762) A2(0.762,2.032) A3(0.762,3.302) A4(0.762,4.572) A5(0.762,5.842) A6(0.762,7.112) A7(0.762,8.382) A8(0.762,9.652) A9(0.762,10.922) A10(0.762,12.192) A11(0.762,13.462) A12(0.762,14.732) B1(2.032,0.762) B2(2.032,2.032) B3(2.032,3.302) B4(2.032,4.572) B5(2.032,5.842) B6(2.032,7.112) B7(2.032,8.382) B9(2.032,10.922) B11(2.032,13.462) B12(2.032,14.732) C1(3.302,0.762) C2(3.302,2.032) C3(3.302,3.302) C4(3.302,4.572) C5(3.302,5.842) C6(3.302,7.112) C7(3.302,8.382) C10(3.302,12.192) C11(3.302,13.462) C12(3.302,14.732) D1(4.572,0.762) D2(4.572,2.032) D3(4.572,3.302) D4(4.572,4.572) D5(4.572,5.842) D6(4.572,7.112) D9(4.572,10.922) D11(4.572,13.462) D12(4.572,14.732) E1(5.842,0.762) E2(5.842,2.032) E3(5.842,3.302) E4(5.842,4.572) E5(5.842,5.842) E6(5.842,7.112) E7(5.842,8.382) E8(5.842,9.652) E11(5.842,13.462) E12(5.842,14.732) F1(7.112,0.762) F2(7.112,2.032) F3(7.112,3.302) F4(7.112,4.572) F5(7.112,5.842) F6(7.112,7.112) F7(7.112,8.382) F8(7.112,9.652) F9(7.112,10.922) F12(7.112,14.732) G1(8.382,0.762) G2(8.382,2.032) G3(8.382,3.302) G4(8.382,4.572) G5(8.382,5.842) G6(8.382,7.112) G7(8.382,8.382) G8(8.382,9.652) G9(8.382,10.922) G10(8.382,12.192) G11(8.382,13.462) G12(8.382,14.732) H1(9.652,0.762) H2(9.652,2.032) H3(9.652,3.302) H4(9.652,4.572) H5(9.652,5.842) H6(9.652,7.112) H7(9.652,8.382) H8(9.652,9.652) H9(9.652,10.922) H10(9.652,12.192) H11(9.652,13.462) H12(9.652,14.732) J1(10.922,0.762) J2(10.922,2.032) J3(10.922,3.302) J4(10.922,4.572) J5(10.922,5.842) J6(10.922,7.112) J7(10.922,8.382) J8(10.922,9.652) J9(10.922,10.922) J10(10.922,12.192) J11(10.922,13.462) J12(10.922,14.732) K1(12.192,0.762) K2(12.192,2.032) K3(12.192,3.302) K4(12.192,4.572) K5(12.192,5.842) K6(12.192,7.112) K7(12.192,8.382) K8(12.192,9.652) K9(12.192,10.922) K10(12.192,12.192) K11(12.192,13.462) K12(12.192,14.732) L1(13.462,0.762) L2(13.462,2.032) L3(13.462,3.302) L4(13.462,4.572) L5(13.462,5.842) L6(13.462,7.112) L7(13.462,8.382) L8(13.462,9.652) L9(13.462,10.922) L10(13.462,12.192) L11(13.462,13.462) L12(13.462,14.732) M1(14.732,0.762) M2(14.732,2.032) M3(14.732,3.302) M4(14.732,4.572) M5(14.732,5.842) M6(14.732,7.112) M7(14.732,8.382) M8(14.732,9.652) M9(14.732,10.922) M10(14.732,12.192) M11(14.732,13.462) M12(14.732,14.732)
  silkscreen extent 0.05,-0.68 15.45,15.45, body extent 0.25,0.25 15.24,15.24, height 2.8
MINI-CIRCUITS_DZ943 [mm] "MINI-CIRCUITS TDZ943 Case, 10 pin,  7.62mm W X 6.35mm L"
  rect 2.16x0.76 smd: 1(-2.73,2.54) 2(-2.73,1.27) 3(-2.73,0) 4(-2.73,-1.27) 5(-2.73,-2.54) 6(2.73,-2.54) 7(2.73,-1.27) 8(2.73,0) 9(2.73,1.27) 10(2.73,2.54)
  silkscreen extent -4.42,-3.81 3.18,3.81, body extent -3.38,-3.81 3.38,3.81, height 4.83
"MSOP8 TI/AD" [mm] "JEDEC MO-187AA Body Width 3 mm; Pitch 0.65 mm"
  rect 0.35x1.2 smd mask+0.15: 1(-0.975,-2.23) 2(-0.325,-2.23) 3(0.325,-2.23) 4(0.975,-2.23) 5(0.975,2.23) 6(0.325,2.23) 7(-0.325,2.23) 8(-0.975,2.23)
  silkscreen extent -1.85,-2.2 1.4,1.4, body extent -1.58,-2.15 1.57,2.15, height 1.1
MTG240_400#1 [mm] "Plated Through Hole: Hole Dia.=2.4mm Pad Dia.=4.0mm"
  round 4 / inner round 3 / far side round 4 hole 2.4: 1(0,0)
MTG240_400#2 [mm] "Plated Through Hole: Hole Dia.=2.4mm Pad Dia.=4.0mm"
  round 4 / inner round 3 / far side round 4 hole 2.4: 1(0,-0.1)
MTG300_600#1 [mm] "Plated Through Hole: Hole Dia.=3.0mm Pad Dia.=6.0mm"
  round 5.8 / inner round 3 / far side round 5.8 hole 2.7: 1(0,0)
MTG300_600#2 [mm] "Plated Through Hole: Hole Dia.=3.0mm Pad Dia.=6.0mm"
  round 2.7 hole 2.7 unplated: 1(0,0)
OSC_CRYSTEK_CVHD-950 [mm] "Oscillator, 5.08mm Pitch; 4 Pin, 14.2mm L X 9.14mm W X 5.3mm H, CVHD-950 Serie"
  rect 2.28x1.27 smd: 1(-3.555,2.54) 2(-3.555,-2.54) 3(3.555,-2.54) 4(3.555,2.54)
  silkscreen extent -5.37,-7.1 4.57,7.1, body extent -4.57,-7.1 4.57,7.1, height 5.3
OSC_SILICON-LAB_SI570 [mm] "Oscillator Si570 Serie, 8 pins, 5x7mm"
  rect 2.15x1.7 smd: 1(-2.1,2.54) 2(-2.1,0) 3(-2.1,-2.54) 4(2.1,-2.54) 5(2.1,0) 6(2.1,2.54)
  rect 1.3x1.545 smd: 7(0,2.853) 8(0,-2.853)
  silkscreen extent -4,-1.75 0.65,2.75, body extent -2.5,-3.5 2.5,3.5, height 1.85